# Altium PCB XuperMousePCB.PcbDoc (part 2 of 3) (continued)
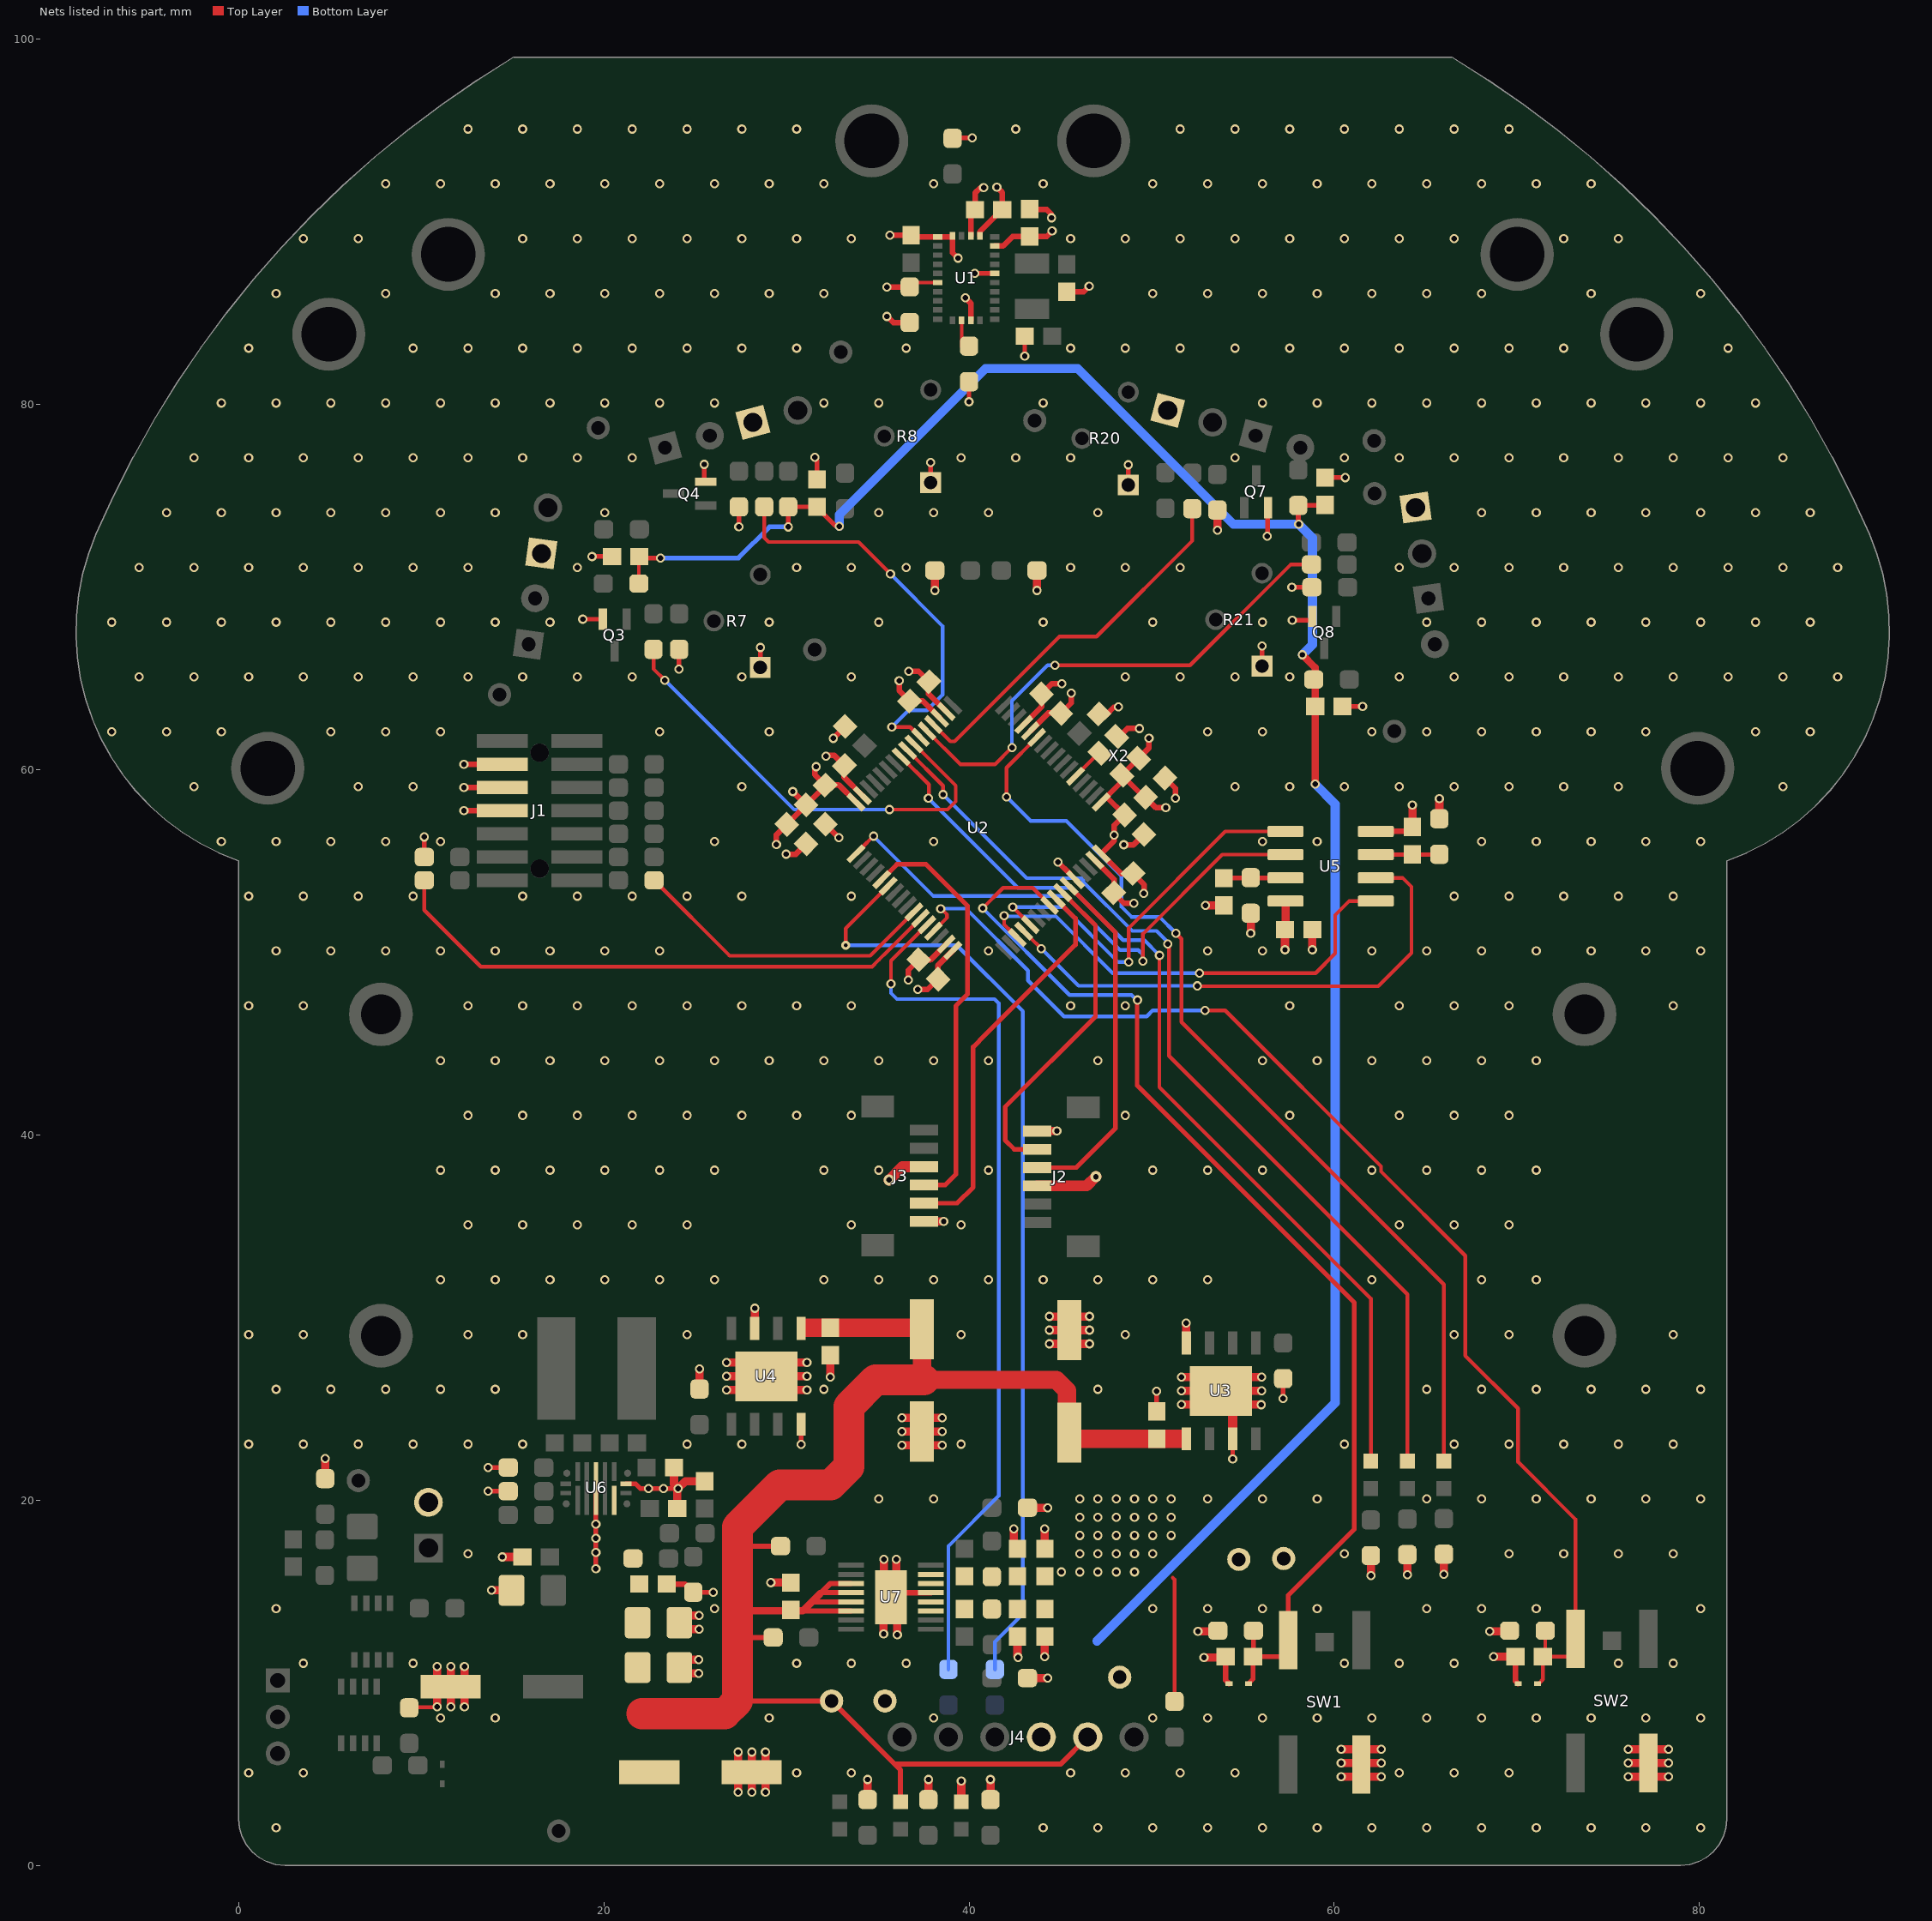
[diagram p4: the nets of this part, all layers, seen from the top]
## Part data (continued)
X1: library part XTAL-2P, "Crystal 0.032768MHz ±20ppm (Tol) 12.5pF Flexural 70000Ohm 2-Pin CSMD T/R", Case/Package=CSMD, ESR (Equivalent Series Resistance)=70kΩ, Frequency=32.768kHz, Frequency Stability=144ppm, Frequency Tolerance=0.002%, Load Capacitance=12.5pF, Manufacturer=Abracon, Manufacturer Part Number=ABS07-32.768KHZ-T, Max Operating Temperature=85°C, Min Operating Temperature=-40°C, Category=Crystals, China RoHS=Compliant, ComponentLink1Description=https://datasheet.octopart.com:443/ABS07-32.768KHZ-T-Abracon-datasheet-166693031.pdf?src-supplier=JRH+Electronics, ComponentLink1URL=https://datasheet.octopart.com:443/ABS07-32.768KHZ-T-Abracon-datasheet-166693031.pdf?src-supplier=JRH+Electronics, ComponentLink2Description=https://datasheet.octopart.com:443/ABS07-32.768KHZ-T-Abracon-datasheet-103422647.pdf?src-supplier=JRH+Electronics, ComponentLink2URL=https://datasheet.octopart.com:443/ABS07-32.768KHZ-T-Abracon-datasheet-103422647.pdf?src-supplier=JRH+Electronics, ComponentLink3Description=https://datasheet.octopart.com:443/ABS07-32.768KHZ-T-Abracon-datasheet-12512028.pdf?src-supplier=Upverter, ComponentLink3URL=https://datasheet.octopart.com:443/ABS07-32.768KHZ-T-Abracon-datasheet-12512028.pdf?src-supplier=Upverter, ComponentLink4Description=https://datasheet.octopart.com:443/ABS07-32.768KHZ-T-Abracon-datasheet-10031075.pdf?src-supplier=Upverter, ComponentLink4URL=https://datasheet.octopart.com:443/ABS07-32.768KHZ-T-Abracon-datasheet-10031075.pdf?src-supplier=Upverter, ComponentLink5Description=https://datasheet.octopart.com:443/ABS07-32.768KHZ-T-Abracon-datasheet-8326266.pdf?src-supplier=Upverter, ComponentLink5URL=https://datasheet.octopart.com:443/ABS07-32.768KHZ-T-Abracon-datasheet-8326266.pdf?src-supplier=Upverter, ComponentLink6Description=https://datasheet.octopart.com:443/ABS07-32.768KHZ-T-Abracon-datasheet-121082.pdf?src-supplier=Upverter, ComponentLink6URL=https://datasheet.octopart.com:443/ABS07-32.768KHZ-T-Abracon-datasheet-121082.pdf?src-supplier=Upverter, ComponentLink7Description=https://datasheet.octopart.com:443/ABS07-32.768KHZ-T-Abracon-datasheet-41191559.pdf?src-supplier=element14+APAC, ComponentLink7URL=https://datasheet.octopart.com:443/ABS07-32.768KHZ-T-Abracon-datasheet-41191559.pdf?src-supplier=element14+APAC, ComponentLink8Description=https://datasheet.octopart.com:443/ABS07-32.768KHZ-T-Abracon-datasheet-15206620.pdf?src-supplier=Newark, ComponentLink8URL=https://datasheet.octopart.com:443/ABS07-32.768KHZ-T-Abracon-datasheet-15206620.pdf?src-supplier=Newark, ComponentLink9Description=https://datasheet.octopart.com:443/ABS07-32.768KHZ-T-Abracon-datasheet-37124839.pdf?src-supplier=Farnell, ComponentLink9URL=https://datasheet.octopart.com:443/ABS07-32.768KHZ-T-Abracon-datasheet-37124839.pdf?src-supplier=Farnell, ComponentLink10Description=https://datasheet.octopart.com:443/ABS07-32.768KHZ-T-Abracon-datasheet-128558976.pdf?src-supplier=X-ON, ComponentLink10URL=https://datasheet.octopart.com:443/ABS07-32.768KHZ-T-Abracon-datasheet-128558976.pdf?src-supplier=X-ON, ComponentLink11Description=https://datasheet.octopart.com:443/ABS07-32.768KHZ-T-Abracon-datasheet-49826663.pdf?src-supplier=TME, ComponentLink11URL=https://datasheet.octopart.com:443/ABS07-32.768KHZ-T-Abracon-datasheet-49826663.pdf?src-supplier=TME, ComponentLink12Description=https://datasheet.octopart.com:443/ABS07-32.768KHZ-T-Abracon-datasheet-15994676.pdf?src-supplier=TME, ComponentLink12URL=https://datasheet.octopart.com:443/ABS07-32.768KHZ-T-Abracon-datasheet-15994676.pdf?src-supplier=TME, ComponentLink13Description=http://sigma.octopart.com:80/conflict_mineral_statement/Abracon-company-27.pdf?src-supplier=Compliance+Statements, ComponentLink13URL=http://sigma.octopart.com:80/conflict_mineral_statement/Abracon-company-27.pdf?src-supplier=Compliance+Statements, Country of Origin="Mainland China", Depth=1.5mm, ESR=70kΩ, Export Control Classification Number (ECCN) Code=EAR99, Harmonized Tariff Schedule (HTS) Code=8541.60.00.10, Height=900µm, Introduction Date=2007-01-08, Lead Free="Lead Free", Length=3.2mm, Lifecycle Status=Production, Mounting Technology="Surface Mount", Packaging="Tape and Reel", Pins=2, Pricing="3000=0.199, 6000=0.184, 9000=0.179, 12000=0.155 (USD)", Radiation Hardening=No, REACH SVHC=Yes, RoHS=Compliant, Schedule B="8541600025, 8541600025|8541600025, 8541600025|8541600025|8541600025, 8541600025|8541600025|8541600025|8541600025", Stock=1691934, Supplier 1="Master Electronics", Supplier Part Number 1=ABS07-32.768KHZ-T, Termination=SMD/SMT, Tolerance=0.002%, Width=1.5494mm
X2: library part XTAL-4P, "Oscillator XO 24MHz ±50ppm 15pF CMOS 55% 1.8V/2.5V/3.3V 4-Pin SMD T/R", Case/Package=SMD/SMT, Frequency=24MHz, Frequency Stability=50ppm, Load Capacitance=15pF, Low Level Output Current=6mA, Manufacturer=Epson, Max Operating Temperature=85°C, Max Supply Current=2.2mA, Max Supply Voltage=3.3V, Min Operating Temperature=-40°C, Min Supply Voltage=1.6V, Ratings="IATF 16949", Category=Crystals, China RoHS=Compliant, ComponentLink1Description=https://datasheet.octopart.com:443/SG-210STF-24.0000ML0-Epson-datasheet-68297300.pdf?src-supplier=Electro+Sonic, ComponentLink1URL=https://datasheet.octopart.com:443/SG-210STF-24.0000ML0-Epson-datasheet-68297300.pdf?src-supplier=Electro+Sonic, ComponentLink2Description=https://datasheet.octopart.com:443/SG-210STF-24.0000ML0-Epson-datasheet-164319076.pdf?src-supplier=Arrow.cn, ComponentLink2URL=https://datasheet.octopart.com:443/SG-210STF-24.0000ML0-Epson-datasheet-164319076.pdf?src-supplier=Arrow.cn, ComponentLink3Description=https://datasheet.octopart.com:443/SG-210STF24.0000ML0-Epson-datasheet-189100305.pdf?src-supplier=Master+Electronics, ComponentLink3URL=https://datasheet.octopart.com:443/SG-210STF24.0000ML0-Epson-datasheet-189100305.pdf?src-supplier=Master+Electronics, ComponentLink4Description=http://sigma.octopart.com:80/149135108/reach_statement/Epson-SG-210STF-24.0000ML0.pdf?src-supplier=Compliance+Statements, ComponentLink4URL=http://sigma.octopart.com:80/149135108/reach_statement/Epson-SG-210STF-24.0000ML0.pdf?src-supplier=Compliance+Statements, ComponentLink5Description=http://sigma.octopart.com:80/149135109/rohs_statement/Epson-SG-210STF-24.0000ML0.pdf?src-supplier=Compliance+Statements, ComponentLink5URL=http://sigma.octopart.com:80/149135109/rohs_statement/Epson-SG-210STF-24.0000ML0.pdf?src-supplier=Compliance+Statements, Country of Origin="Japan, Mainland China, Malaysia, Thailand", Export Control Classification Number (ECCN) Code=EAR99, Fall Time=3ns, Height=889µm, Introduction Date=2014-01-28, Length=2.4892mm, Lifecycle Status=Production, Manufacturer Part Number="SG-210STF 24.0000ML0", Mounting Technology="Surface Mount", Number of Terminals=4, Packaging="Tape & Reel (TR)", Pricing="1000=0.335, 2000=0.325 (USD)", REACH SVHC=Yes, Rise Time=3ns, RoHS=Compliant, Schedule B="8541600060, 8541600060|8541600060|8541600060|8541600060|8541600060", Stock=1000, Supplier 1="Future Electronics", Supplier Part Number 1="SG-210STF 24.0000ML0", Width=2.0066mm

## Free pads (board coordinates)
  round 4 hole 3: 1(1.606,60.059) 1(4.946,83.826) 1(11.488,88.201) 1(34.67,94.412) 1(46.83,94.412) 1(70.012,88.201) 1(76.554,83.826) 1(79.894,60.059)
  round 3.5 hole 2.18: 1(7.8,28.99) 1(7.8,46.59) 1(73.7,28.99) ""(73.7,46.59)

## Via types
v1: diameter 0.5, hole 0.3, Top Layer to Bottom Layer, tented both sides, 757 vias
v2: diameter 0.6, hole 0.3, Top Layer to Bottom Layer, tented both sides, 2 vias
v3: diameter 2.007, hole 1.499, Top Layer to Bottom Layer, 2 vias
v4: diameter 0.5, hole 0.2, Top Layer to Bottom Layer, tented both sides, 1 vias

## Nets (pads, with @x,y where several pads share a name; then routed paths per layer and width w, separated by ;. In a path a pad name is that pad's centre, name@x,y a point inside that pad or via, vN(x,y) a via of type N, cw(c..) or ccw(c..) an arc to the next point about the centre after c; other vN are vias at no path point)
1V8: 1V8.1 C1.2 C2.2 C8.2 C9.2 C44.2 C45.2 C47.2 R1.2 R2.2 R14.2 R15.2 R59.2 U7.3 U7.4 | length 118.6
  Top Layer w0.203: R1.2@21.925,70.175 C1.2@21.925,71.5
  Top Layer w0.254: C1.2@21.95,71.65 22.025,71.575 v1(23.1,71.575) ; v1(30.1,73.275) R2.2@30.1,74.375 C9.2@31.675,74.375 31.675,74.35 32.678,73.347 32.855,73.347 v1(32.902,73.3) ; R14.2@58.025,74.45 58.025,73.45 v1(58.05,73.425) 58.05,74.45 59.475,74.45 C2.2@59.5,74.475
  Top Layer w0.4: v1(58.25,66.275) 58.95,65.575 R15.2@58.95,64.925 ; R15.2@58.875,64.925 58.95,64.85 C8.2@58.95,63.45 v1(58.95,59.2)
  Bottom Layer w0.254: v1(23.1,71.575) 27.375,71.575 29.075,73.275 v1(30.1,73.275)
  Bottom Layer w0.5: v1(32.902,73.3) 32.902,73.947 40.904,81.95 45.95,81.95 54.475,73.425 v1(58.05,73.425) 58.8,72.675 58.8,66.825 v1(58.25,66.275) ; 47.004,12.279 60.05,25.325 60.05,58.1 v1(58.95,59.2)
3V3: 3V3.1 C4.1 C5.1 C15.2 C16.2 C17.2 C18.2 C19.2 C20.2 C21.2 C22.2 C24.2 C25.2 C48.2 C49.2 C50.2 D13.2 J1.3 J2.4 J3.4 Q1.1 Q2.1 Q5.1 Q6.1 R3.1 R13.1 R16.1 R17.1 R35.2 R39.1 R40.1 R41.1 R42.1 R63.2 U1.3 U1.28 U2.1 U2.13 U2.19 U2.32 U2.48 U2.64 U3.4 U4.4 U5.8 U7.6 U7.7 X2.1 X2.4 | length 69.9
  Top Layer w0.203: 51.15,15.75 51.25,15.65 R35.2@51.25,8.975 ; C24.2@57.3,51.225 C24.2@57.33,51.255
  Top Layer w0.254: v1(30.805,23.052) U4.4@30.805,24.152 ; R3.1@39.075,94.575 v1(40.175,94.575)
  Top Layer w0.305: v1(12.343,60.282) J1.3@14.455,60.282 ; v1(29.455,55.883) 29.455,56.419 C15.2@30.025,56.989 32.137,59.102 32.137,59.162 32.859,59.162 U2.32@33.807,58.214 ; v1(30.35,58.788) C18.2@31.075,58.064 ; v1(31.625,60.15) 31.625,60.097 31.56,60.032 31.56,59.705 C16.2@32.12,59.145 ; v1@35.562,84.764 35.856,84.47 R13.1@36.75,84.47 ; v1(36.175,64.85) 36.175,64.314 C17.2@36.745,63.745 36.762,63.762 37.452,63.762 U2.19@38.404,62.81 ; v1(37.2,47.95) 37.736,47.95 C20.2@38.305,48.52 38.288,48.537 38.288,49.259 U2.48@39.111,50.082 ; U1.3@40.096,89.217 40.096,90.421 C4.1@40.325,90.65 ; C4.1@40.35,90.675 40.35,91.581 v1@40.581,91.813 ; U1.28@41.409,88.654 41.411,88.657 41.874,88.657 42.393,89.175 C5.1@43.325,89.175 44.258,89.175 v1@44.55,89.467 ; U2.13@43,62.457 43.987,63.444 43.987,64.113 C19.2@43.97,64.13 44.539,64.7 v1(45.075,64.7) ; U2.1@47.243,58.214 U2.1@47.527,58.498 ; v1(49.57,53.22) 49.592,53.242 49.592,53.693 C21.2@48.98,54.305 48.963,54.288 48.341,54.288 U2.64@47.243,55.386 47.95,56.093 v1(47.95,56.4) 47.95,56.936 C22.2@48.52,57.505 U2.1@47.527,58.498 ; v1(49.855,61.714) 49.855,61.178 X2.1@49.286,60.609 X2.4@48.366,59.689 ; v1(50.775,57.9) 50.239,57.9 C25.2@49.67,58.47 49.586,58.47 X2.4@48.366,59.689 ; U2.1@47.527,58.498 48.366,59.338 X2.4@48.366,59.689
  Top Layer w0.45: v1(38.125,69.796) R17.1@38.125,70.896 ; D13.2@39.575,3.525 v1(39.575,4.625) ; v1(43.725,69.796) R16.1@43.725,70.896 ; U3.4@51.895,28.598 v1(51.895,29.698) ; v1(52.537,12.803) R39.1@53.637,12.803 ; v1(55.425,51.025) R42.1@55.425,52.125 ; v1(57.3,50.125) C24.2@57.3,51.225 ; C24.2@57.33,51.255 U5.8@57.33,52.795 ; R41.1@65.75,57.3 v1(65.75,58.4) ; v1(68.512,12.803) R40.1@69.612,12.803
  Top Layer w0.6: v2(35.625,37.525) 36.35,38.25 J3.4@37.523,38.25 ; J2.4@43.725,37.2 46.446,37.2 v2(46.946,37.7)
  other v1: 45.06,16.06 46.06,16.06 47.06,16.06 48.06,16.06 49.06,16.06 46.06,17.06 47.06,17.06 48.06,17.06 49.06,17.06 50.06,17.06 46.06,18.06 47.06,18.06 48.06,18.06 49.06,18.06 50.06,18.06 51.06,18.06 46.06,19.06 47.06,19.06 48.06,19.06 49.06,19.06 50.06,19.06 51.06,19.06 46.06,20.06 47.06,20.06 48.06,20.06 49.06,20.06 50.06,20.06 51.06,20.06 35.5,84.8 44.55,89.475 40.8,91.85
6V0: C10.1 C11.1 C13.1 C14.1 C37.2 C38.2 C39.2 C40.1 C46.2 D12.2 J4.2 R50.2 R60.2 R61.2 TP11.1 U3.5 U4.5 U6.9 U7.11 U7.12 U7.13 U7.14 | length 97.8
  Top Layer w0.279: 27.325,9 TP11.1@32.475,9 35.934,5.541 ; 27.325,12.65 27.404,12.729 ; 27.325,13.8 27.425,13.9 ; 27.325,18.525 27.675,18.175 ; 27.375,12.478 R61.2@29.275,12.478 ; 27.375,17.478 R60.2@29.675,17.478 ; 30.899,13.927 U7.14@33.542,13.927 ; 31.35,14.378 31.4,14.428 U7.13@33.542,14.428 ; 31.85,14.878 31.9,14.928 U7.12@33.542,14.928 ; 32.401,15.428 U7.11@33.542,15.428 ; D12.2@36.25,3.475 36.25,5.225 35.934,5.541 ; J4.2@46.495,7.025 45.011,5.541 35.934,5.541
  Top Layer w0.3: 31.85,14.878 32.401,15.428
  Top Layer w0.4: 27.275,13.927 30.899,13.927 31.35,14.378 31.85,14.878
  Top Layer w1: 31.127,29.425 C11.1@32.4,29.425 37.351,29.425 C10.1@37.425,29.351 37.425,26.575 ; 37.525,26.575 44.779,26.575 45.365,25.989 45.365,23.832 C13.1@45.498,23.699 ; C13.1@45.654,23.35 C14.1@50.275,23.35 51.6,23.35
  Top Layer w1.7: 22.092,8.3 26.625,8.3 27.325,9 27.325,12.65 27.325,13.8 27.325,18.525 29.625,20.825 32.429,20.825 33.425,21.821 33.425,25.125 34.875,26.575 37.525,26.575
Blue_Rx: R36.2 U2.38 | length 52.1
  Top Layer w0.203: v4(33.25,50.375) 33.25,51.293 U2.38@35.575,53.618
  Bottom Layer w0.203: v4(33.25,50.375) 39.331,50.375 42.95,46.756 42.95,13.773 41.415,12.238 R36.2@41.415,10.728
Blue_Tx: R38.2 U2.44 | length 48.4
  Top Layer w0.203: v1@35.725,48.2 35.725,49.525 U2.44@37.697,51.497
  Bottom Layer w0.203: v1(35.725,48.254) 35.725,47.752 36.052,47.425 41.4,47.425 41.625,47.2 41.625,20.225 38.875,17.475 R38.2@38.875,10.728
BT1: C26.2 D8.1 R39.2 SW1.A1 U2.56 | length 62.3
  Top Layer w0.203: v1(40.749,52.403) 41.865,53.52 43.487,53.52 44.414,52.592 U2.56@44.414,52.557
  Top Layer w0.254: v1(49.225,47.375) 49.2,47.35 49.2,42.7 61.1,30.8 61.1,18.4 57.475,14.775 SW1.A1@57.475,12.325 57.475,11.798 57.102,11.425 C26.2@55.55,11.425 ; D8.1@55.3,9.95 55.362,9.95 55.362,10.012 55.55,10.2 C26.2@55.55,11.425 ; R39.2@55.575,12.85 55.575,11.45 C26.2@55.55,11.425
  Bottom Layer w0.203: v1(40.749,52.403) 45.502,47.65 48.897,47.65 49.172,47.375 v1(49.225,47.375)
BT2: C27.2 D9.1 R40.2 SW2.A1 U2.45 | length 68.1
  Top Layer w0.203: U2.45@38.05,51.143 38.795,51.888 38.795,52.056 v1@38.463,52.388 ; v1@52.925,46.8 54.029,46.8 62.561,38.268 62.561,37.989 67.175,33.375 67.175,27.9 70.061,25.014 70.061,22.089 73.2,18.95 SW2.A1@73.2,12.4 73.2,11.823 72.802,11.425 C27.2@71.425,11.425 ; D9.1@71.132,9.95 71.194,9.95 71.425,10.181 C27.2@71.425,11.425 ; R40.2@71.55,12.85 71.55,11.55 C27.2@71.425,11.425
  Bottom Layer w0.203: v1(38.45,52.375) 39.834,52.375 43.222,48.987 43.222,48.447 45.198,46.472 49.726,46.472 50.063,46.808 v1(52.917,46.808)
Debug_Rx: R34.2 U2.43 | length 31.2
  Top Layer w0.203: R34.2@10.175,53.932 10.175,52.3 13.275,49.2 34.693,49.2 35.051,49.558 35.561,50.069 U2.43@37.343,51.85
Debug_Tx: R33.1 U2.42 | length 16.9
  Top Layer w0.203: R33.1@22.775,53.917 26.892,49.8 34.586,49.8 U2.42@36.989,52.204
DebugLED_A: D5.2 U2.11 | length 52.3
  Top Layer w0.203: v1(42.05,58.5) 42.05,60.093 U2.11@43.707,61.75 ; v1(51.325,51.025) 51.627,50.723 51.627,49.813 51.627,46.173 66,31.8 D5.2@66,22.132
  Bottom Layer w0.203: v1(42.05,58.5) 43.375,57.175 45.325,57.175 48.352,54.148 48.352,52.473 48.899,51.926 50.424,51.926 v1(51.325,51.025)
DebugLED_B: D6.2 U2.24 | length 52.8
  Top Layer w0.203: U2.24@36.636,61.043 38.575,59.104 v1(38.575,58.625) ; v1(50.873,50.45) 50.898,50.425 50.95,50.425 50.95,44.316 64,31.266 D6.2@64,22.132
  Bottom Layer w0.203: v1(38.575,58.625) 43.158,54.042 46.131,54.042 46.25,53.923 46.25,53.85 48.945,51.155 50.27,51.155 50.924,50.501 v1(50.873,50.45)
DebugLED_C: D7.2 U2.25 | length 51.6
  Top Layer w0.203: U2.25@36.282,60.689 37.8,59.171 v1@37.8,58.45 ; v1(50.425,49.819) 50.425,42.6 62,31.025 D7.2@62,22.132
  Bottom Layer w0.203: v1(37.772,58.422) 42.674,53.52 45.573,53.52 48.443,50.65 49.594,50.65 v1(50.425,49.819)
ENC_L_A: J2.3 U2.59 | length 19.5
  Top Layer w0.254: J2.3@43.725,38.2 45.875,38.2 48.025,40.35 48.025,51.068 46.268,52.825 U2.59@45.475,53.618
ENC_L_B: J2.2 U2.58 | length 18.3
  Top Layer w0.254: J2.2@43.725,39.2 42.475,39.2 41.975,39.7 41.975,41.522 46.925,46.472 46.925,51.461 45.526,52.86 U2.58@45.121,53.264
ENC_R_A: J3.3 U2.37 | length 22.9
  Top Layer w0.254: U2.37@35.222,53.972 36.05,54.8 37.65,54.8 39.923,52.527 39.923,47.698 39.275,47.05 39.275,37.825 38.7,37.25 J3.3@37.523,37.25
ENC_R_B: J3.2 U2.57 | length 21.6
  Top Layer w0.254: J3.2@37.523,36.25 39.35,36.25 40.225,37.125 40.225,44.8 40.9,45.475 ; 40.901,45.475 45.825,50.399 45.825,51.844 44.768,52.901 U2.57@44.768,52.911
FLASH_CS: U2.51 U5.1 | length 25.6
  Top Layer w0.203: v1@41.922,51.984 41.922,51.514 U2.51@42.332,51.104 ; v1(52.625,48.85) 58.979,48.85 60.05,49.921 60.05,52.025 60.82,52.795 U5.1@62.27,52.795
  Bottom Layer w0.203: v1(41.922,51.987) 41.954,51.956 44.76,51.956 47.866,48.85 v1(52.625,48.85)
FLASH_MISO: U2.52 U5.2 | length 28.6
  Top Layer w0.203: U2.52@43.314,50.829 v1(43.96,50.183) ; v1(52.5,48.15) 52.516,48.134 62.409,48.134 64.225,49.95 64.225,53.575 63.735,54.065 U5.2@62.27,54.065
  Bottom Layer w0.203: v1(43.96,50.183) 45.993,48.15 v1(52.5,48.15)
FLASH_MOSI: U2.53 U5.5 | length 21.2
  Top Layer w0.203: v1(42.393,52.457) U2.53@43.039,51.811 ; v1(48.75,49.45) 48.75,51.325 54.03,56.605 U5.5@57.33,56.605
  Bottom Layer w0.203: v1(42.393,52.457) 45.168,52.457 48.175,49.45 v1(48.75,49.45)
FLASH_nRST: C29.2 R42.2 U5.7 | length 3.4
  Top Layer w0.254: C29.2@53.95,54.05 53.965,54.065 U5.7@57.33,54.065
FLASH_nWP: C28.2 R41.2 U5.3 | length 3.5
  Top Layer w0.254: U5.3@62.27,55.335 65.735,55.335 R41.2@65.75,55.35
FLASH_SCK: U2.33 U5.6 | length 29.8
  Top Layer w0.203: U2.33@34.122,55.7 v1(34.768,56.346) ; v1(49.523,49.5) 49.523,50.998 53.86,55.335 U5.6@57.33,55.335
  Bottom Layer w0.203: v1(34.768,56.346) 38.049,53.066 45.32,53.066 48.269,50.117 49.258,50.117 49.523,49.852 v1(49.523,49.5)
GND: C1.1 C2.1 C3.1 C4.2 C5.2 C6.1 C7.1 C8.1 C9.1 C10.2 C11.2 C12.1 C13.2 C14.2 C15.1 C16.1 C17.1 C18.1 C19.1 C20.1 C21.1 C22.1 C23.1 C24.1 C25.1 C26.1 C27.1 C28.1 C29.1 C34.2 C35.1 C36.1 C37.1 C38.1 C39.1 C40.2 C41.1 C42.1 C43.1 C44.1 C45.1 C46.1 C49.1 C50.1 D8.2 D9.2 J1.5 J1.7 J2.1 J3.1 J4.3 J5.2 Q3.2 Q4.2 Q7.2 Q8.2 R4.2 R7.1 R8.1 R11.2 R12.2 R20.1 R21.1 R24.2 R25.2 R31.2 R32.2 R37.2 R43.2 R44.2 R45.2 R51.2 R52.1 R53.1 R54.1 R55.1 R56.1 R58.1 R62.1 R64.1 R65.1 SW1.B2 SW2.B2 TP14.1 TP15.1 U1.2 U1.5 U1.6 U1.18 U1.25 U2.12 U2.18 U2.31 U2.47 U2.60 U2.63 U3.7 U3.9 U4.7 U4.9 U5.4 U6.7 U6.12 U7.5 U7.17 X2.2 | length 197.8
  Top Layer w0.203: R52.1@9.35,8.625 9.379,8.654 10.842,8.654 v1(10.871,8.682)
  Top Layer w0.254: R31.2@10.175,55.202 v1(10.175,56.302) ; v1(13.672,20.482) R54.1@14.772,20.482 ; v1(13.672,21.782) R51.2@14.772,21.782 ; v1(18.85,68.226) Q3.2@19.95,68.226 ; v1(19.36,71.655) C1.1@20.445,71.655 ; v1(19.572,16.232) v1(19.572,17.132) v1(19.572,17.907) v1(19.572,18.682) U6.7@19.572,20.632 ; U6.12@21.222,20.882 21.224,20.88 21.749,20.88 21.997,20.632 v1(22.447,20.632) v1(23.272,20.632) v1(24.072,20.632) ; v1(24.12,65.485) R11.2@24.12,66.57 ; R56.1@24.9,14.95 v1(26,14.95) ; v1(25.5,76.7) 25.5,75.852 25.602,75.75 Q4.2@25.932,75.75 ; v1(27.395,73.285) R12.2@27.395,74.37 ; R7.1@28.57,65.585 28.575,65.59 v1(28.575,66.675) ; v1(31.564,77.086) 31.564,77.019 31.675,76.908 C9.1@31.675,75.875 ; R8.1@37.9,75.7 v1(37.9,76.8) ; v1@39.999,80.126 R4.2@40,81.225 ; v1(40.309,87.154) U1.25@41.409,87.154 ; v1(43.05,82.625) C7.1@43.05,83.725 ; R20.1@48.725,75.575 v1(48.725,76.675) ; C14.2@50.275,24.85 v1(50.275,25.95) ; v1(54.435,22.252) U3.7@54.435,23.352 ; R21.1@56.045,65.66 v1(56.045,66.76) ; v1(56.323,72.775) 56.349,72.801 56.349,74.298 Q7.2@56.375,74.324 ; v1(57.2,25.55) R32.2@57.2,26.65 ; v1(57.675,69.975) R24.2@58.775,69.975 ; v1(57.7,68.172) Q8.2@58.8,68.172 ; C2.1@59.5,75.975 v1(60.6,75.975) ; C8.1@60.45,63.45 v1(61.55,63.45)
  Top Layer w0.3: v1(44.867,54.931) 45.513,54.286 U2.60@45.514,54.286
  Top Layer w0.305: v1(12.343,57.742) J1.7@14.455,57.742 ; v1(12.343,59.012) J1.5@14.455,59.012 ; C37.1@23.45,15.4 24.45,15.4 R56.1@24.9,14.95 ; v1(29.98,55.358) 30.516,55.358 C15.1@31.085,55.928 ; C18.1@32.142,56.985 v1(32.866,56.26) ; v1(32.175,60.725) 32.228,60.725 32.281,60.778 32.608,60.778 33.163,60.223 33.163,59.566 U2.31@34.161,58.568 ; v1(32.566,61.701) C23.1@33.22,62.355 C23.1@33.29,62.426 ; v1(35.675,89.25) C3.1@36.825,89.25 36.921,89.154 U1.6@38.284,89.154 39.091,89.154 U1.5@39.096,89.159 ; U7.17@35.726,14.678 36.075,14.678 36.325,14.928 U7.5@37.911,14.928 ; v1(36.675,48.475) 36.675,49.011 C20.1@37.245,49.58 37.262,49.563 37.884,49.563 U2.47@38.757,50.436 ; v1(36.7,65.375) 37.236,65.375 C17.1@37.805,64.805 37.788,64.788 37.788,64.134 U2.18@38.757,63.164 ; U1.5@39.096,89.217 U1.5@39.096,89.159 ; v1@39.389,87.992 39.096,88.284 U1.5@39.096,89.159 ; v1@39.804,85.817 40.096,85.524 U1.18@40.096,84.592 ; U1.2@40.596,89.217 40.596,89.446 41.8,90.65 C4.2@41.825,90.65 41.825,91.582 v1@41.533,91.875 ; C5.2@43.35,90.65 44.256,90.65 v1@44.488,90.419 ; U2.12@43.353,62.103 44.337,63.087 45.013,63.087 C19.1@45.03,63.07 45.6,63.639 v1(45.6,64.175) ; C6.1@45.35,86.15 46.283,86.15 46.575,86.442 v1(46.575,86.45) ; U2.63@46.889,55.032 47.937,53.984 47.937,53.262 C21.1@47.92,53.245 48.489,52.675 v1(49.025,52.675) ; C12.1@47.124,63.037 47.568,63.037 47.926,63.395 48.14,63.395 v1(48.178,63.432) ; X2.2@48.084,61.811 48.25,61.811 48.678,62.239 v1(49.33,62.239) ; v1(48.475,55.875) 49.011,55.875 C22.1@49.58,56.445 ; C25.1@50.73,59.53 51.3,58.961 v1(51.3,58.425) ; C26.1@54.05,11.425 54.05,10.136 54.2,9.986 54.2,9.976 54.226,9.95 D8.2@54.236,9.95 ; U5.4@62.27,56.605 64.03,56.605 C28.1@64.275,56.85 ; C27.1@69.925,11.425 69.925,10.082 70.057,9.95 D9.2@70.068,9.95
  Top Layer w0.45: R55.1@4.75,21.175 v1(4.75,22.275) ; v1(10.871,8.682) v1(10.871,10.882) ; v1(11.621,8.682) C34.2@11.621,9.782 v1(11.621,10.882) ; v1(12.371,8.682) v1(12.371,10.882) ; v1(13.854,15.057) C35.1@14.954,15.057 ; v1(14.447,16.882) C36.1@15.547,16.882 ; C41.1@23.847,21.782 23.847,20.857 v1(24.072,20.632) ; C42.1@24.022,19.532 24.022,20.582 v1(24.072,20.632) ; C39.1@24.097,10.507 v1(25.197,10.507) ; C39.1@24.097,11.257 v1(25.197,11.257) ; C38.1@24.122,12.932 v1(25.222,12.932) ; C38.1@24.122,13.682 v1(25.222,13.682) ; R37.2@25.245,26.077 v1(25.245,27.177) ; C43.1@25.522,21.032 24.472,21.032 v1(24.072,20.632) ; v1(26.725,26.025) v1(31.125,26.025) ; v1(26.725,26.775) U4.9@27.825,26.775 ; v1(26.725,27.525) 28.15,27.525 U4.9@28.9,26.775 ; v1(27.351,4) v1(27.351,6.2) ; v1(28.101,4) C40.2@28.101,5.1 v1(28.101,6.2) ; U4.7@28.265,29.398 v1(28.265,30.498) ; v1(28.851,4) v1(28.851,6.2) ; U4.9@28.925,27.525 v1(31.125,27.525) ; v1(29.15,15.478) C46.1@30.25,15.478 ; U4.9@30.025,26.775 v1(31.125,26.775) ; v1(32.4,26.725) C11.2@32.4,27.825 ; R53.1@34.45,3.6 v1(34.45,4.7) ; v1(35.325,12.675) U7.17@35.325,13.775 ; U7.17@35.335,15.535 v1(35.335,16.761) ; v1(36.026,16.761) 36.026,14.727 36.075,14.678 v1(36.075,12.625) ; v1(36.325,22.999) v1(38.525,22.999) ; v1(36.325,23.749) C10.2@37.425,23.749 v1(38.525,23.749) ; v1(36.325,24.499) v1(38.525,24.499) ; J3.1@37.511,35.25 v1(38.611,35.25) ; R58.1@37.775,3.6 v1(37.775,4.7) ; R65.1@41.175,3.6 v1(41.175,4.7) ; v1(42.449,18.428) 42.458,18.418 42.458,17.52 C49.1@42.65,17.328 ; C44.1@42.65,12.528 42.65,11.441 42.691,11.401 v1(42.691,11.387) ; R62.1@43.2,10.253 v1(44.3,10.253) ; R64.1@43.2,19.578 v1(44.3,19.578) ; J2.1@43.714,40.2 v1(44.814,40.2) ; v1(44.15,11.428) C45.1@44.15,12.528 ; C50.1@44.15,17.328 v1(44.15,18.428) ; v1(44.398,28.551) v1(46.598,28.551) ; v1(44.398,29.301) C13.2@45.498,29.301 v1(46.598,29.301) ; v1(44.398,30.051) v1(46.598,30.051) ; v1(51.625,25.225) 54.435,25.225 v1@56.025,25.225 ; v1(51.625,25.975) U3.9@52.725,25.975 ; v1(51.625,26.725) U3.9@53.05,26.725 ; v1(52.862,11.378) C26.1@53.962,11.378 ; v1(52.95,52.55) C29.1@53.95,52.55 ; v1(53.6,73.1) R25.2@53.6,74.2 ; U3.9@53.825,26.725 v1(56.025,26.725) ; U3.9@54.925,25.975 v1(56.025,25.975) ; v1(58.8,50.125) C24.1@58.8,51.225 ; v1(60.375,4.85) v1(62.575,4.85) ; v1(60.375,5.6) v1(62.575,5.6) ; v1(60.375,6.35) v1(62.575,6.35) ; v1(62,15.857) R45.2@62,16.957 ; v1(64,15.907) R44.2@64,17.007 ; C28.1@64.275,56.95 v1(64.275,58.05) ; v1(66,15.932) R43.2@66,17.032 ; v1(68.725,11.425) C27.1@69.825,11.425 ; v1(76.1,4.85) v1(78.3,4.85) ; v1(76.1,5.6) SW2.B2@77.2,5.6 v1(78.3,5.6) ; v1(76.1,6.35) v1(78.3,6.35)
  Top Layer w0.5: U3.9@53.8,25.975 54.435,25.34 54.435,25.225 U3.7@54.435,23.352
  other v1: 2.06,2.06 44.06,2.06 47.06,2.06 50.06,2.06 53.06,2.06 56.06,2.06 59.06,2.06 62.06,2.06 65.06,2.06 68.06,2.06 71.06,2.06 74.06,2.06 77.06,2.06 80.06,2.06 0.56,5.06 3.56,5.06 30.56,5.06 33.56,5.06 45.56,5.06 48.56,5.06 51.56,5.06 54.56,5.06 63.56,5.06 66.56,5.06 69.56,5.06 11.06,8.06 14.06,8.06 29.06,8.06 38.06,8.06 50.06,8.06 53.06,8.06 56.06,8.06 59.06,8.06 62.06,8.06 65.06,8.06 68.06,8.06 71.06,8.06 74.06,8.06 77.06,8.06 80.06,8.06 3.56,11.06 9.56,11.06 30.56,11.06 33.56,11.06 36.56,11.06 60.56,11.06 63.56,11.06 66.56,11.06 75.56,11.06 78.56,11.06 2.06,14.06 26.06,14.06 50.06,14.06 53.06,14.06 56.06,14.06 59.06,14.06 65.06,14.06 68.06,14.06 71.06,14.06 80.06,14.06 12.56,17.06 60.56,17.06 69.56,17.06 72.56,17.06 75.56,17.06 78.56,17.06 35.06,20.06 38.06,20.06 53.06,20.06 56.06,20.06 59.06,20.06 65.06,20.06 68.06,20.06 71.06,20.06 74.06,20.06 77.06,20.06 80.06,20.06 0.56,23.06 3.56,23.06 6.56,23.06 9.56,23.06 12.56,23.06 15.56,23.06 24.56,23.06 27.56,23.06 39.56,23.06 60.56,23.06 66.56,23.06 69.56,23.06 72.56,23.06 75.56,23.06 78.56,23.06 55.991,25.219 2.06,26.06 5.06,26.06 8.06,26.06 11.06,26.06 14.06,26.06 32.06,26.06 47.06,26.06 65.06,26.06 68.06,26.06 71.06,26.06 74.06,26.06 77.06,26.06 80.06,26.06 0.56,29.06 3.56,29.06 12.56,29.06 15.56,29.06 24.56,29.06 39.56,29.06 48.56,29.06 66.56,29.06 69.56,29.06 78.56,29.06 11.06,32.06 14.06,32.06 17.06,32.06 20.06,32.06 23.06,32.06 26.06,32.06 32.06,32.06 35.06,32.06 38.06,32.06 41.06,32.06 44.06,32.06 47.06,32.06 50.06,32.06 53.06,32.06 62.06,32.06 68.06,32.06 71.06,32.06 12.56,35.06 15.56,35.06 18.56,35.06 21.56,35.06 24.56,35.06 33.56,35.06 39.56,35.06 63.56,35.06 66.56,35.06 69.56,35.06 11.06,38.06 14.06,38.06 17.06,38.06 20.06,38.06 23.06,38.06 26.06,38.06 32.06,38.06 35.06,38.06 41.06,38.06 50.06,38.06 53.06,38.06 56.06,38.06 62.06,38.06 65.06,38.06 68.06,38.06 71.06,38.06 12.56,41.06 15.56,41.06 18.56,41.06 21.56,41.06 24.56,41.06 27.56,41.06 30.56,41.06 33.56,41.06 48.56,41.06 57.56,41.06 63.56,41.06 66.56,41.06 69.56,41.06 11.06,44.06 14.06,44.06 17.06,44.06 20.06,44.06 23.06,44.06 26.06,44.06 29.06,44.06 32.06,44.06 35.06,44.06 38.06,44.06 41.06,44.06 47.06,44.06 56.06,44.06 59.06,44.06 62.06,44.06 65.06,44.06 68.06,44.06 71.06,44.06 0.56,47.06 3.56,47.06 12.56,47.06 15.56,47.06 18.56,47.06 21.56,47.06 24.56,47.06 27.56,47.06 30.56,47.06 33.56,47.06 45.56,47.06 48.56,47.06 57.56,47.06 63.56,47.06 66.56,47.06 69.56,47.06 78.56,47.06 2.06,50.06 5.06,50.06 8.06,50.06 11.06,50.06 14.06,50.06 17.06,50.06 20.06,50.06 23.06,50.06 41.06,50.06 53.06,50.06 56.06,50.06 62.06,50.06 65.06,50.06 68.06,50.06 71.06,50.06 74.06,50.06 77.06,50.06 80.06,50.06 0.56,53.06 3.56,53.06 6.56,53.06 9.56,53.06 15.56,53.06 18.56,53.06 21.56,53.06 24.56,53.06 27.56,53.06 33.56,53.06 66.56,53.06 69.56,53.06 72.56,53.06 75.56,53.06 78.56,53.06 -0.94,56.06 2.06,56.06 5.06,56.06 8.06,56.06 11.06,56.06 26.06,56.06 38.06,56.06 56.06,56.06 59.06,56.06 68.06,56.06 71.06,56.06 74.06,56.06 77.06,56.06 80.06,56.06 -2.44,59.06 6.56,59.06 9.56,59.06 27.56,59.06 54.56,59.06 57.56,59.06 60.56,59.06 63.56,59.06 66.56,59.06 69.56,59.06 72.56,59.06 75.56,59.06 84.56,59.06 -6.94,62.06 -3.94,62.06 -0.94,62.06 5.06,62.06 8.06,62.06 11.06,62.06 23.06,62.06 29.06,62.06 53.06,62.06 56.06,62.06 62.06,62.06 65.06,62.06 68.06,62.06 71.06,62.06 74.06,62.06 77.06,62.06 83.06,62.06 86.06,62.06 -5.44,65.06 -2.44,65.06 0.56,65.06 3.56,65.06 6.56,65.06 9.56,65.06 12.56,65.06 15.56,65.06 18.56,65.06 21.56,65.06 27.56,65.06 33.56,65.06 48.56,65.06 51.56,65.06 54.56,65.06 57.56,65.06 63.56,65.06 66.56,65.06 69.56,65.06 72.56,65.06 75.56,65.06 78.56,65.06 81.56,65.06 84.56,65.06 87.56,65.06 -6.94,68.06 -3.94,68.06 -0.94,68.06 2.06,68.06 5.06,68.06 8.06,68.06 11.06,68.06 14.06,68.06 17.06,68.06 29.06,68.06 35.06,68.06 44.06,68.06 50.06,68.06 56.06,68.06 65.06,68.06 68.06,68.06 71.06,68.06 74.06,68.06 77.06,68.06 80.06,68.06 83.06,68.06 86.06,68.06 -5.44,71.06 -2.44,71.06 0.56,71.06 3.56,71.06 6.56,71.06 9.56,71.06 12.56,71.06 18.56,71.06 30.56,71.06 33.56,71.06 36.56,71.06 45.56,71.06 48.56,71.06 51.56,71.06 63.56,71.06 66.56,71.06 69.56,71.06 72.56,71.06 75.56,71.06 78.56,71.06 81.56,71.06 84.56,71.06 87.56,71.06 -3.94,74.06 -0.94,74.06 2.06,74.06 5.06,74.06 8.06,74.06 11.06,74.06 14.06,74.06 20.06,74.06 35.06,74.06 38.06,74.06 41.06,74.06 47.06,74.06 68.06,74.06 71.06,74.06 74.06,74.06 77.06,74.06 80.06,74.06 83.06,74.06 86.06,74.06 -2.44,77.06 0.56,77.06 3.56,77.06 6.56,77.06 9.56,77.06 12.56,77.06 15.56,77.06 18.56,77.06 21.56,77.06 39.56,77.06 42.56,77.06 45.56,77.06 54.56,77.06 60.56,77.06 63.56,77.06 66.56,77.06 69.56,77.06 72.56,77.06 75.56,77.06 78.56,77.06 81.56,77.06 84.56,77.06 -0.94,80.06 2.06,80.06 5.06,80.06 8.06,80.06 11.06,80.06 14.06,80.06 17.06,80.06 20.06,80.06 23.06,80.06 26.06,80.06 32.06,80.06 35.06,80.06 44.06,80.06 56.06,80.06 59.06,80.06 62.06,80.06 65.06,80.06 68.06,80.06 71.06,80.06 74.06,80.06 77.06,80.06 80.06,80.06 83.06,80.06 39.998,80.125 0.56,83.06 9.56,83.06 12.56,83.06 15.56,83.06 18.56,83.06 21.56,83.06 24.56,83.06 27.56,83.06 30.56,83.06 36.56,83.06 45.56,83.06 48.56,83.06 51.56,83.06 54.56,83.06 57.56,83.06 60.56,83.06 63.56,83.06 66.56,83.06 69.56,83.06 72.56,83.06 81.56,83.06 39.796,85.817 2.06,86.06 8.06,86.06 14.06,86.06 17.06,86.06 20.06,86.06 23.06,86.06 26.06,86.06 29.06,86.06 32.06,86.06 50.06,86.06 53.06,86.06 56.06,86.06 59.06,86.06 62.06,86.06 65.06,86.06 68.06,86.06 74.06,86.06 80.06,86.06 39.396,87.992 3.56,89.06 6.56,89.06 15.56,89.06 18.56,89.06 21.56,89.06 24.56,89.06 27.56,89.06 30.56,89.06 33.56,89.06 45.56,89.06 48.56,89.06 51.56,89.06 54.56,89.06 57.56,89.06 60.56,89.06 63.56,89.06 66.56,89.06 72.56,89.06 75.56,89.06 44.525,90.2 41.525,91.875 8.06,92.06 11.06,92.06 14.06,92.06 17.06,92.06 20.06,92.06 23.06,92.06 26.06,92.06 29.06,92.06 32.06,92.06 38.06,92.06 44.06,92.06 50.06,92.06 53.06,92.06 56.06,92.06 59.06,92.06 62.06,92.06 65.06,92.06 68.06,92.06 71.06,92.06 74.06,92.06 12.56,95.06 15.56,95.06 18.56,95.06 21.56,95.06 24.56,95.06 27.56,95.06 30.56,95.06 42.56,95.06 51.56,95.06 54.56,95.06 57.56,95.06 60.56,95.06 63.56,95.06 66.56,95.06 69.56,95.06
HSE_IN: U2.5 X2.3 | length 1.9
  Top Layer w0.203: U2.5@45.828,59.628 47.091,60.891 X2.3@47.164,60.891
IMU_ADDRESS_SEL: R4.1 U1.17 | length 1.5
  Top Layer w0.203: U1.17@39.596,84.592 39.598,84.59 39.598,83.127 R4.1@39.6,83.125
IMU_nRST: R13.2 U1.11 | length 2.9
  Top Layer w0.203: R13.2@36.75,86.42 36.984,86.654 U1.11@38.284,86.654
  Top Layer w0.305: v1(35.5,86.4) 35.51,86.41 36.74,86.41 R13.2@36.75,86.42
IRLED1: R9.2 U2.23 | length 24.6
  Top Layer w0.203: R9.2@22.725,66.575 22.725,65.5 v1(23.35,64.875) ; v1(35.65,57.8) 38.825,57.8 39.275,58.25 39.275,59.111 U2.23@37.304,61.082
  Bottom Layer w0.203: v1(23.35,64.875) 30.425,57.8 v1(35.65,57.8)
IRLED2: R10.2 U2.22 | length 23
  Top Layer w0.203: R10.2@28.787,74.375 28.787,72.688 29.025,72.45 33.95,72.45 v1(35.7,70.7) ; v1(35.775,62.325) 36.768,62.325 U2.22@37.657,61.436
  Bottom Layer w0.203: v1(35.7,70.7) 38.55,67.85 38.55,64.081 37.703,63.234 36.684,63.234 v1(35.775,62.325)
IRLED3: R22.2 U2.20 | length 20.9
  Top Layer w0.203: U2.20@38.05,62.457 38.974,61.533 39.208,61.533 44.954,67.279 46.979,67.279 52.225,72.525 R22.2@52.225,74.275
IRLED4: R23.2 U2.21 | length 27.8
  Top Layer w0.203: U2.21@37.697,62.103 39.526,60.274 41.424,60.274 v1(42.35,61.2) ; v1(44.7,65.7) 52.098,65.7 57.623,71.225 R23.2@58.75,71.225
  Bottom Layer w0.203: v1(42.35,61.2) 42.35,63.75 44.3,65.7 v1(44.7,65.7)